# KiCad board cm0.kicad_pcb (continued)
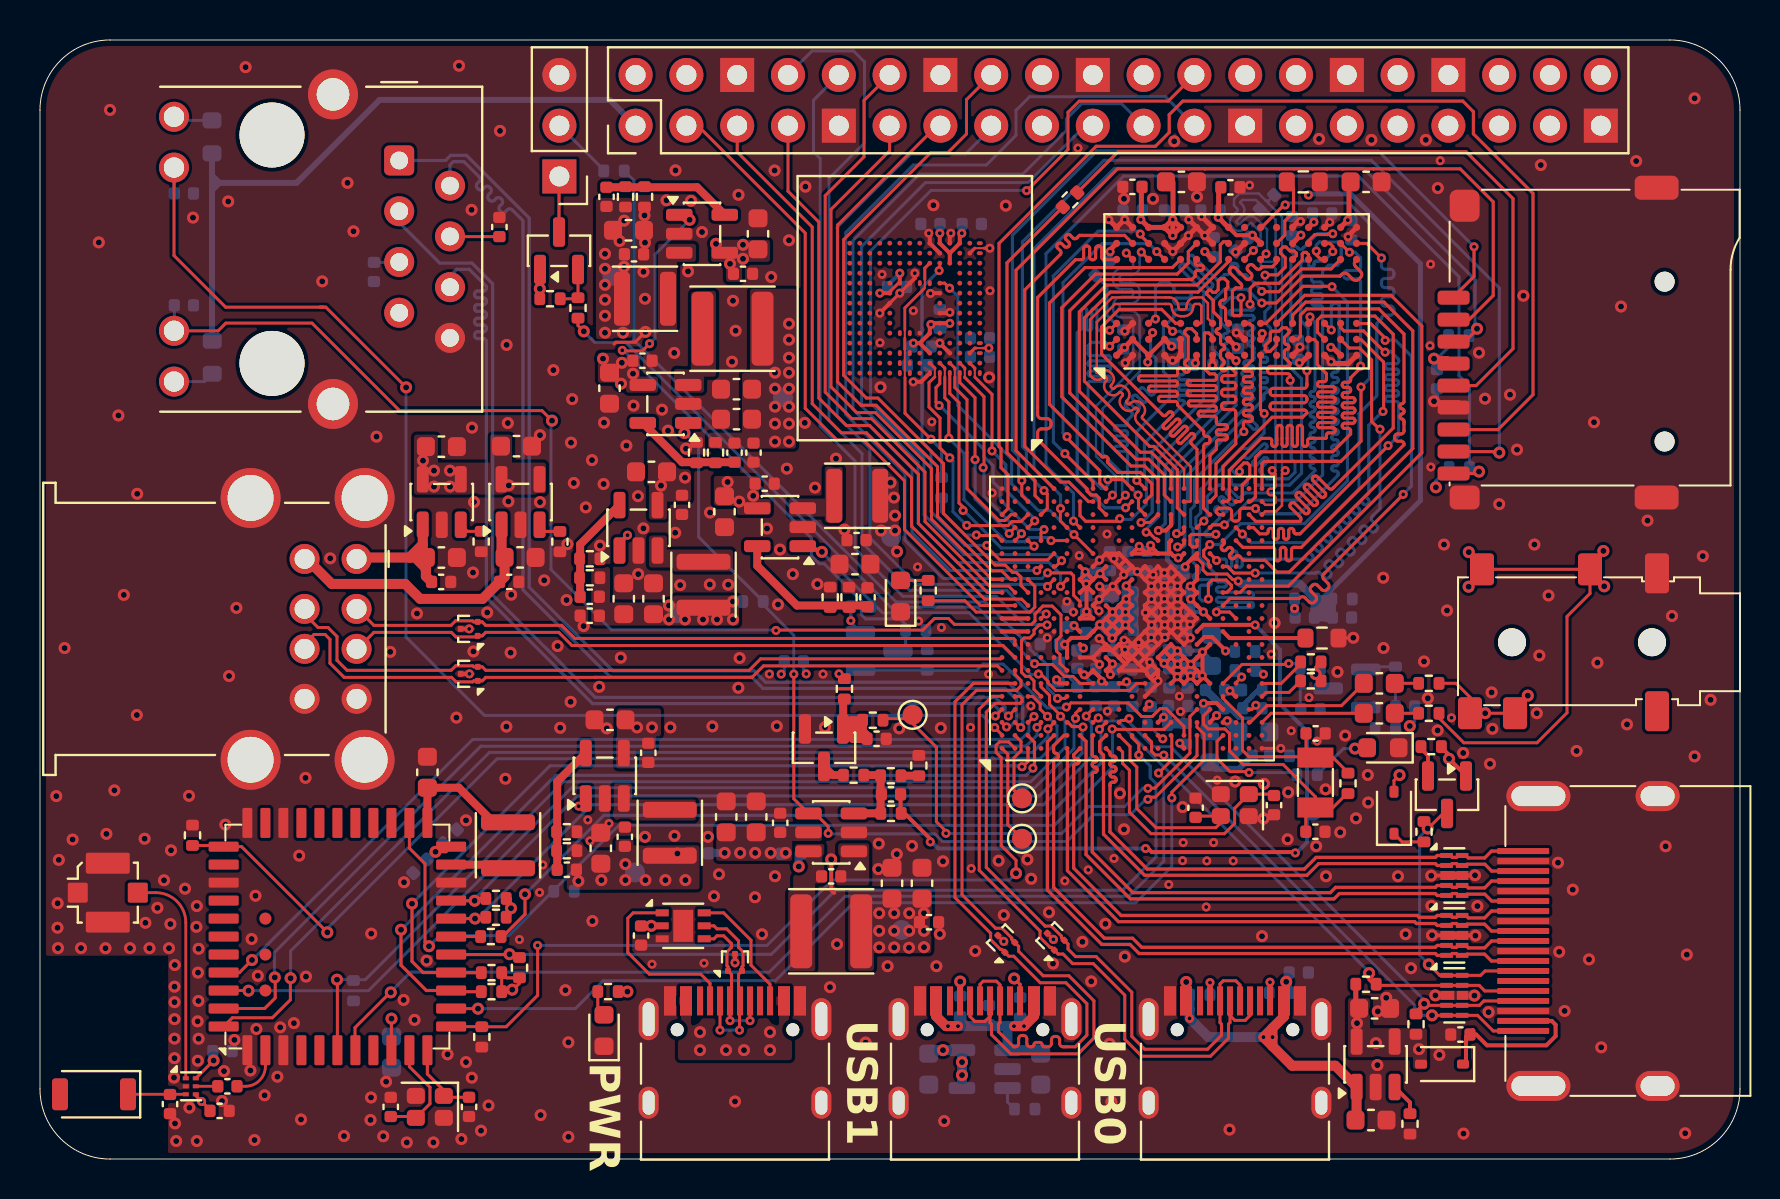
[diagram p0: board, top side]
## Routing (per net, layer and track width the routed paths; a pad name or vN(x,y) marks a point on that pad's centre or on a via; arc(x,y) is an arc through that point) (continued)
/DDR3/A3: length 27
  Top w0.157: U1.V20 59.35,32.9 59.47,33.01 59.47,34.47 61.06,36.06 61.48,36.06 arc(61.56,36.03) 61.59,35.96 61.59,35.77 arc(61.62,35.69) 61.69,35.66 61.74,35.66 arc(61.81,35.69) 61.84,35.77 61.84,36.61 arc(61.87,36.68) 61.95,36.71 62,36.71 arc(62.07,36.68) 62.1,36.61 62.1,35.77 arc(62.13,35.69) 62.2,35.66 62.25,35.66 arc(62.33,35.69) 62.36,35.77 62.36,36.61 arc(62.39,36.68) 62.46,36.71 62.51,36.71 arc(62.58,36.68) 62.61,36.61 62.61,35.77 arc(62.64,35.69) 62.72,35.66 62.77,35.66 arc(62.84,35.69) 62.87,35.77 62.87,36.61 arc(62.9,36.68) 62.97,36.71 63.02,36.71 arc(63.1,36.68) 63.13,36.61 63.13,35.77 arc(63.16,35.69) 63.23,35.66 63.28,35.66 arc(63.35,35.69) 63.38,35.77 63.38,35.96 arc(63.41,36.03) 63.48,36.06 64.28,36.06 64.32,36.1 64.32,36.24 arc(64.35,36.31) 64.42,36.34 64.66,36.34 arc(64.73,36.37) 64.76,36.44 64.76,36.49 arc(64.73,36.57) 64.66,36.6 63.98,36.6 arc(63.91,36.63) 63.88,36.7 63.88,36.75 arc(63.91,36.82) 63.98,36.85 64.66,36.85 arc(64.73,36.88) 64.76,36.96 64.76,37.01 arc(64.73,37.08) 64.66,37.11 63.98,37.11 arc(63.91,37.14) 63.88,37.21 63.88,37.26 arc(63.91,37.34) 63.98,37.37 64.66,37.37 arc(64.73,37.4) 64.76,37.47 64.76,37.52 arc(64.73,37.59) 64.66,37.62 63.98,37.62 arc(63.91,37.65) 63.88,37.72 63.88,37.78 arc(63.91,37.85) 63.98,37.88 64.66,37.88 arc(64.73,37.91) 64.76,37.98 64.76,38.03 arc(64.73,38.1) 64.66,38.14 63.98,38.14 arc(63.91,38.17) 63.88,38.24 63.88,38.29 arc(63.91,38.36) 63.98,38.39 64.66,38.39 arc(64.73,38.42) 64.76,38.49 64.76,38.55 arc(64.73,38.62) 64.66,38.65 63.98,38.65 arc(63.91,38.68) 63.88,38.75 63.88,38.8 arc(63.91,38.87) 63.98,38.9 64.22,38.9 arc(64.29,38.93) 64.32,39.01 64.32,39.3 63.86,39.76 63.86,40.86 63.71,41.01 63.44,41.01 U2.N2
/DDR3/A4: length 23.9
  Top w0.157: v1(63.35,39.45) 63.35,38.71 arc(63.3,38.61) 63.2,38.56 61.65,38.56 arc(61.55,38.52) 61.51,38.42 61.51,38.35 arc(61.55,38.25) 61.65,38.2 63.2,38.2 arc(63.3,38.16) 63.35,38.06 63.35,37.99 arc(63.3,37.89) 63.2,37.84 61.65,37.84 arc(61.55,37.8) 61.51,37.7 61.51,37.63 arc(61.55,37.53) 61.65,37.48 63.2,37.48 arc(63.3,37.44) 63.35,37.34 63.35,37.34 63.13,37.12 61.61,37.12 59.15,34.66 U1.V21 ; U2.P8 64.49,45.82 64.64,45.67 v1(64.64,45.41)
  Bottom w0.157: v1(63.35,39.45) 63.4,39.5 63.4,41.59 63.04,41.95 63.04,44.82 63.15,44.93 63.34,44.93 arc(63.41,44.9) 63.44,44.83 63.44,44.74 arc(63.47,44.67) 63.55,44.64 63.6,44.64 arc(63.67,44.67) 63.7,44.74 63.7,44.83 arc(63.73,44.9) 63.8,44.93 64.18,44.93 64.64,45.39 v1(64.64,45.41)
/DDR3/A5: length 27
  Top w0.157: U1.Y19 60.79,31.91 62.99,31.91 63.03,31.95 arc(63.06,32.03) 63.03,32.11 62.52,32.62 arc(62.49,32.7) 62.52,32.78 62.56,32.82 arc(62.64,32.85) 62.73,32.82 63.23,32.32 arc(63.31,32.28) 63.39,32.32 63.44,32.36 arc(63.47,32.44) 63.44,32.52 62.82,33.13 arc(62.79,33.21) 62.82,33.3 62.87,33.34 arc(62.95,33.37) 63.03,33.34 63.64,32.73 arc(63.72,32.69) 63.8,32.73 63.85,32.77 arc(63.88,32.85) 63.85,32.93 63.23,33.54 arc(63.2,33.62) 63.23,33.71 63.28,33.75 arc(63.36,33.78) 63.44,33.75 64.05,33.14 arc(64.13,33.1) 64.21,33.14 64.26,33.18 arc(64.29,33.26) 64.26,33.34 63.65,33.95 arc(63.61,34.03) 63.65,34.12 63.69,34.16 arc(63.77,34.19) 63.85,34.16 64.46,33.55 arc(64.54,33.51) 64.62,33.55 67.66,36.58 67.66,41.27 66.75,42.18 64.07,42.18 63.87,41.98 63.87,41.38 U2.P2
/DDR3/A6: length 24
  Top w0.157: v1(66.03,39.68) 66.03,39.59 65.53,39.09 65.53,38.97 arc(65.5,38.9) 65.43,38.87 65.22,38.87 arc(65.14,38.84) 65.11,38.77 65.11,38.72 arc(65.14,38.64) 65.22,38.61 65.43,38.61 arc(65.5,38.58) 65.53,38.51 65.53,38.46 arc(65.5,38.39) 65.43,38.36 65.22,38.36 arc(65.14,38.33) 65.11,38.26 65.11,38.2 arc(65.14,38.13) 65.22,38.1 65.64,38.1 arc(65.72,38.07) 65.75,38 65.75,37.95 arc(65.72,37.88) 65.64,37.85 65.22,37.85 arc(65.14,37.82) 65.11,37.74 65.11,37.69 arc(65.14,37.62) 65.22,37.59 65.64,37.59 arc(65.72,37.56) 65.75,37.49 65.75,37.43 arc(65.72,37.36) 65.64,37.33 65.22,37.33 arc(65.14,37.3) 65.11,37.23 65.11,37.18 arc(65.14,37.11) 65.22,37.08 65.64,37.08 arc(65.72,37.05) 65.75,36.97 65.75,36.92 arc(65.72,36.85) 65.64,36.82 65.22,36.82 arc(65.14,36.79) 65.11,36.72 65.11,36.67 arc(65.14,36.59) 65.22,36.56 65.43,36.56 arc(65.5,36.53) 65.53,36.46 65.53,36.28 64.64,35.39 61.04,35.39 60.77,35.12 60.77,33.13 60.54,32.9 U1.Y20 ; U2.R8 v1(65.47,45.38)
  Bottom w0.157: v1(66.03,39.68) 66.03,43.87 arc(65.98,43.99) 65.86,44.04 65.35,44.04 arc(65.23,44.09) 65.18,44.21 65.18,44.29 arc(65.23,44.41) 65.35,44.46 65.86,44.46 arc(65.98,44.51) 66.03,44.63 66.03,45.1 65.75,45.38 v1(65.47,45.38)
/DDR3/A7: length 23.9
  Top w0.157: U1.V15 59.38,29.65 59.5,29.53 59.5,29.53 59.68,29.35 59.68,29.35 59.71,29.32 v1(60.76,29.32) ; v1(67,36.52) 66.97,36.52 66.58,36.91 66.58,39.98 65.98,40.58 65.47,40.58 U2.R2
  Bottom w0.157: v1(67,36.52) 67,32.55 66.61,32.16 arc(66.56,32.05) 66.61,31.93 66.83,31.71 arc(66.88,31.59) 66.83,31.48 66.78,31.42 arc(66.66,31.37) 66.54,31.42 66.32,31.64 arc(66.21,31.69) 66.09,31.64 66.03,31.58 arc(65.98,31.47) 66.03,31.35 66.25,31.13 arc(66.3,31.01) 66.25,30.9 66.2,30.84 arc(66.08,30.79) 65.96,30.84 65.74,31.06 arc(65.63,31.11) 65.51,31.06 65.45,31 arc(65.4,30.89) 65.45,30.77 65.67,30.55 arc(65.72,30.43) 65.67,30.32 65.62,30.26 arc(65.5,30.21) 65.38,30.26 65.16,30.48 arc(65.05,30.53) 64.93,30.48 64.87,30.42 arc(64.82,30.31) 64.87,30.19 65.09,29.97 arc(65.14,29.85) 65.09,29.74 65.04,29.68 arc(64.92,29.63) 64.8,29.68 64.58,29.9 arc(64.47,29.95) 64.35,29.9 64.29,29.84 arc(64.24,29.73) 64.29,29.61 64.51,29.39 arc(64.56,29.27) 64.51,29.16 64.46,29.1 arc(64.34,29.05) 64.22,29.1 64,29.32 arc(63.89,29.37) 63.77,29.32 v1(60.76,29.32)
/DDR3/A8: length 23.9
  Top w0.157: v1(60.12,31.27) 60.12,31.28 U1.W18 ; v1(67.07,45.09) 66.34,45.82 U2.T8
  Bottom w0.157: v1(60.12,31.27) 60.55,30.84 63.24,30.84 65.95,33.55 65.95,37.3 66.84,38.19 66.84,41.81 67.07,42.04 arc(67.12,42.17) 67.25,42.23 67.51,42.23 arc(67.64,42.28) 67.7,42.41 67.7,42.5 arc(67.64,42.63) 67.51,42.69 67.25,42.69 arc(67.12,42.74) 67.07,42.87 67.07,42.96 arc(67.12,43.09) 67.25,43.15 67.51,43.15 arc(67.64,43.2) 67.7,43.33 67.7,43.42 arc(67.64,43.55) 67.51,43.61 67.25,43.61 arc(67.12,43.66) 67.07,43.79 67.07,43.88 arc(67.12,44.01) 67.25,44.07 67.51,44.07 arc(67.64,44.12) 67.7,44.25 67.7,44.34 arc(67.64,44.47) 67.51,44.53 67.25,44.53 arc(67.12,44.58) 67.07,44.71 v1(67.07,45.09)
/DDR3/A9: length 23.9
  Top w0.157: 65.04,41.81 65.04,41.6 65.2,41.44 66.17,41.44 67.19,40.42 67.22,40.42 v1(67.26,40.38) ; v1(67.4,35.7) 67.39,35.69 67.39,35.67 63,31.28 62.79,31.28 arc(62.72,31.32) 62.69,31.39 62.69,31.45 arc(62.66,31.52) 62.59,31.55 62.54,31.55 arc(62.47,31.52) 62.43,31.45 62.43,31.12 arc(62.4,31.05) 62.33,31.01 62.28,31.01 arc(62.21,31.05) 62.18,31.12 62.18,31.45 arc(62.15,31.52) 62.08,31.55 62.02,31.55 arc(61.95,31.52) 61.92,31.45 61.92,31.12 arc(61.89,31.05) 61.82,31.01 61.77,31.01 arc(61.7,31.05) 61.67,31.12 61.67,31.45 arc(61.64,31.52) 61.56,31.55 61.51,31.55 arc(61.44,31.52) 61.41,31.45 61.41,31.39 arc(61.38,31.32) 61.31,31.28 60.99,31.28 60.67,31.6 U1.Y18
  Bottom w0.157: v1(67.4,35.7) 67.43,35.7 67.93,36.2 67.93,37.8 arc(67.9,37.88) 67.82,37.91 67.38,37.91 arc(67.31,37.94) 67.27,38.02 67.27,38.07 arc(67.31,38.15) 67.38,38.18 67.82,38.18 arc(67.9,38.21) 67.93,38.29 67.93,38.34 arc(67.9,38.42) 67.82,38.45 67.38,38.45 arc(67.31,38.48) 67.27,38.56 67.27,38.61 arc(67.31,38.69) 67.38,38.72 67.82,38.72 arc(67.9,38.75) 67.93,38.83 67.93,38.88 arc(67.9,38.96) 67.82,38.99 67.38,38.99 arc(67.31,39.02) 67.27,39.1 67.27,39.15 arc(67.31,39.23) 67.38,39.26 67.82,39.26 arc(67.9,39.29) 67.93,39.37 67.93,39.42 arc(67.9,39.5) 67.82,39.53 67.38,39.53 arc(67.31,39.56) 67.27,39.64 67.27,39.69 arc(67.31,39.77) 67.38,39.8 67.82,39.8 arc(67.9,39.83) 67.93,39.91 67.93,40.02 67.53,40.42 67.3,40.42 v1(67.26,40.38)
/DDR3/A10: length 24
  Top w0.157: U2.L7 61.83,44.86 61.62,44.65 61.11,44.65 61.02,44.56 arc(60.92,44.52) 60.81,44.56 60.65,44.72 arc(60.55,44.77) 60.45,44.72 60.4,44.67 arc(60.35,44.57) 60.4,44.47 60.56,44.31 arc(60.6,44.2) 60.56,44.1 60.51,44.05 arc(60.41,44.01) 60.3,44.05 59.75,44.6 arc(59.65,44.65) 59.55,44.6 59.5,44.55 arc(59.45,44.45) 59.5,44.35 60.05,43.8 arc(60.09,43.69) 60.05,43.59 59.78,43.59 59.62,43.43 59.62,42.28 59.7,42.2 59.99,42.2 60.05,42.26 v1(60.05,43.1)
  Top w0.2: U1.P19 56.55,31.71 56.29,31.45 v1(55.92,31.45)
  Bottom w0.157: v1(55.92,31.45) 55.92,31.46 56.26,31.8 56.26,34.71 59.4,37.85 59.4,40.44 arc(59.37,40.51) 59.3,40.54 59.27,40.54 arc(59.2,40.57) 59.17,40.64 59.17,40.7 arc(59.2,40.77) 59.27,40.8 59.3,40.8 arc(59.37,40.83) 59.4,40.9 59.4,40.95 arc(59.37,41.02) 59.3,41.05 59.27,41.05 arc(59.2,41.08) 59.17,41.16 59.17,41.21 arc(59.2,41.28) 59.27,41.31 59.3,41.31 arc(59.37,41.34) 59.4,41.41 59.4,41.58 59.32,41.58 59.05,41.85 59.05,42.65 59.5,43.1 v1(60.05,43.1)
/DDR3/A11: length 30.1
  Top w0.157: U2.R7 64.55,44.54 63.08,44.54 61.94,43.4 61.15,43.4 61.13,43.42 v1(61.08,43.42) 61.14,43.42 ; U1.N19 55.62,31.97 55.62,31.97 55.5,31.85 v1(55.05,31.85)
  Bottom w0.157: 61.14,43.42 61.12,43.42 60.28,44.26 60.04,44.26 arc(59.94,44.31) 59.89,44.41 59.89,44.67 arc(59.85,44.78) 59.75,44.82 59.67,44.82 arc(59.57,44.78) 59.52,44.67 59.52,44.41 arc(59.48,44.31) 59.38,44.26 59.23,44.26 58.99,44.03 arc(58.91,43.99) 58.82,44.03 57.65,45.2 arc(57.57,45.23) 57.48,45.2 57.44,45.15 arc(57.4,45.07) 57.44,44.98 58.61,43.81 arc(58.65,43.73) 58.61,43.64 58.57,43.6 arc(58.48,43.57) 58.4,43.6 57.23,44.77 arc(57.14,44.81) 57.06,44.77 57.02,44.73 arc(56.98,44.65) 57.02,44.56 58.19,43.39 arc(58.22,43.3) 58.19,43.22 58.17,43.2 58.17,37.97 55.61,35.41 55.61,32.38 55.08,31.85 v1(55.05,31.85)
/DDR3/A12: length 26.1
  Top w0.157: v1(60.5,42.78) 60.51,42.79 60.51,43.57 60.69,43.75 60.69,43.75 60.76,43.82 60.92,43.82 60.92,43.82 61.25,43.82 61.25,43.82 61.95,43.82 63.11,44.98 63.11,45.29 63.19,45.37 63.31,45.37 63.43,45.25 U2.N7 ; U1.R18 57.2,31.39 57.09,31.28 56.85,31.28 56.83,31.29
  Bottom w0.157: v1(60.5,42.78) 60.7,42.58 arc(60.67,42.51) 60.6,42.48 59.57,42.48 arc(59.5,42.45) 59.47,42.37 59.47,42.32 arc(59.5,42.25) 59.57,42.22 60.6,42.22 arc(60.67,42.19) 60.7,42.12 60.7,42.07 arc(60.67,41.99) 60.6,41.96 60.52,41.96 arc(60.45,41.93) 60.42,41.86 60.42,41.81 arc(60.45,41.74) 60.52,41.71 60.6,41.71 arc(60.67,41.68) 60.7,41.61 60.7,41.55 arc(60.67,41.48) 60.6,41.45 60.52,41.45 arc(60.45,41.42) 60.42,41.35 60.42,41.3 arc(60.45,41.22) 60.52,41.19 60.6,41.19 arc(60.67,41.16) 60.7,41.09 60.7,41.04 arc(60.67,40.97) 60.6,40.94 60.52,40.94 arc(60.45,40.91) 60.42,40.84 60.42,40.78 arc(60.45,40.71) 60.52,40.68 60.6,40.68 arc(60.67,40.65) 60.7,40.58 60.7,40.05 arc(60.67,39.98) 60.6,39.95 60.3,39.95 arc(60.23,39.92) 60.2,39.84 60.2,39.79 arc(60.23,39.72) 60.3,39.69 60.6,39.69 arc(60.67,39.66) 60.7,39.59 60.7,39.54 arc(60.67,39.46) 60.6,39.43 60.2,39.43 arc(60.13,39.4) 60.1,39.33 60.1,39.28 arc(60.13,39.21) 60.2,39.18 60.6,39.18 arc(60.67,39.15) 60.7,39.07 60.7,39.02 arc(60.67,38.95) 60.6,38.92 60.2,38.92 arc(60.13,38.89) 60.1,38.82 60.1,38.77 arc(60.13,38.69) 60.2,38.66 60.6,38.66 arc(60.67,38.63) 60.7,38.56 60.7,38.51 arc(60.67,38.44) 60.6,38.41 60.2,38.41 arc(60.13,38.38) 60.1,38.3 60.1,38.25 arc(60.13,38.18) 60.2,38.15 60.6,38.15 arc(60.67,38.12) 60.7,38.05 60.7,38.05 56.97,34.33 56.97,31.55 56.83,31.41 56.83,31.29
  vias: v1(56.83,31.3)
/DDR3/A13: length 23.9
  Top w0.157: v1(68.16,33.26) 68.16,33.25 64.18,29.27 arc(64.13,29.15) 64.18,29.03 64.4,28.8 arc(64.45,28.68) 64.4,28.55 64.34,28.49 arc(64.22,28.44) 64.09,28.49 63.87,28.71 arc(63.75,28.77) 63.62,28.71 63.56,28.65 arc(63.51,28.53) 63.56,28.4 63.78,28.18 arc(63.83,28.06) 63.78,27.93 63.72,27.87 arc(63.59,27.82) 63.47,27.87 63.25,28.09 arc(63.12,28.14) 63,28.09 62.96,28.05 59.5,28.05 U1.V12 ; 65.84,41.81 66.53,41.81 67.26,41.08 v1(67.26,40.97)
  Bottom w0.157: v1(68.16,33.26) 68.57,33.67 68.57,40.17 67.76,40.98 67.27,40.98 v1(67.26,40.97)
/DDR3/A14: length 23.9
  Top w0.157: U2.T7 65.78,44.97 arc(65.72,44.82) 65.78,44.66 66.02,44.42 arc(66.09,44.26) 66.02,44.11 65.95,44.03 arc(65.79,43.96) 65.64,44.03 65.39,44.27 arc(65.24,44.34) 65.08,44.27 64.99,44.18 63.15,44.18 61.81,42.84 61.12,42.84 61.11,42.85 61.1,42.85 v1(61.09,42.84) ; v1(55.31,31.37) 55.44,31.37 55.52,31.29 55.52,31.28 55.75,31.05 55.81,31.05 55.9,30.96 U1.N17
  Bottom w0.157: v1(61.09,42.84) 61.05,42.87 61,42.87 60.35,43.52 59.22,43.52 58.62,42.92 58.62,40.54 59.1,40.06 59.1,39.4 58.9,39.2 58.9,38.02 55.93,35.05 55.93,32.14 55.35,31.56 55.35,31.41 v1(55.31,31.37)
/DDR3/A15: length 24
  Top w0.157: v1(56.88,30.63) 57.04,30.63 57.2,30.79 U1.R17 ; U2.M7 62.82,45.21 62.82,45.33 62.71,45.44 62.5,45.44 62.3,45.64 62.16,45.64 62.03,45.51 62.03,45.33 62.26,45.1 62.26,44.62 61.88,44.25 61.27,44.25 v1(61.25,44.23)
  Bottom w0.157: v1(61.25,44.23) 61.25,43.88 61.5,43.63 61.5,42.64 61.24,42.38 61.24,41.86 61.52,41.58 61.52,41.14 61.19,40.81 61.19,40.74 arc(61.22,40.67) 61.28,40.65 arc(61.35,40.62) 61.37,40.56 61.37,40.48 arc(61.35,40.41) 61.28,40.39 61.1,40.39 arc(61.04,40.36) 61.01,40.29 61.01,40.22 arc(61.04,40.16) 61.1,40.13 61.28,40.13 arc(61.35,40.1) 61.38,40.04 61.38,39.96 arc(61.35,39.9) 61.28,39.87 61.1,39.87 arc(61.04,39.85) 61.01,39.78 61.01,39.71 arc(61.04,39.64) 61.1,39.62 61.28,39.62 arc(61.35,39.59) 61.38,39.52 61.38,39.45 arc(61.35,39.39) 61.28,39.36 61.1,39.36 arc(61.04,39.33) 61.01,39.27 61.01,39.19 arc(61.04,39.13) 61.1,39.1 61.28,39.1 arc(61.35,39.08) 61.38,39.01 61.38,38.94 arc(61.35,38.87) 61.28,38.85 61.1,38.85 arc(61.04,38.82) 61.01,38.75 61.01,38.68 arc(61.04,38.62) 61.1,38.59 61.28,38.59 arc(61.35,38.56) 61.37,38.5 61.37,38.42 arc(61.35,38.36) 61.28,38.33 arc(61.22,38.31) 61.19,38.24 61.19,38.04 60.42,37.28 arc(60.39,37.2) 60.42,37.13 60.84,36.72 arc(60.87,36.64) 60.84,36.57 60.8,36.54 arc(60.73,36.51) 60.66,36.54 60.24,36.95 arc(60.17,36.98) 60.1,36.95 57.37,34.22 57.37,32.9 57.24,32.77 57.24,30.72 57.15,30.63 v1(56.88,30.63)
/DDR3/BA0: length 27
  Top w0.157: U2.M2 62.88,41.02 63.02,41.16 63.02,42.23 63.33,42.54 66.94,42.54 68.2,41.28 68.2,37.9 arc(68.17,37.83) 68.1,37.8 arc(68.03,37.77) 68,37.7 68,37.64 arc(68.03,37.57) 68.1,37.54 arc(68.17,37.51) 68.2,37.44 68.2,37.39 arc(68.17,37.32) 68.1,37.29 arc(68.03,37.26) 68,37.19 68,37.13 arc(68.03,37.06) 68.1,37.03 arc(68.17,37) 68.2,36.93 68.2,36.43 arc(68.16,36.33) 68.06,36.28 67.87,36.28 arc(67.77,36.24) 67.73,36.14 67.73,36.07 arc(67.77,35.97) 67.87,35.92 68.06,35.92 arc(68.16,35.88) 68.2,35.78 68.2,35.74 63.07,30.61 62.69,30.61 arc(62.61,30.58) 62.58,30.5 62.58,30.05 arc(62.54,29.97) 62.46,29.94 62.41,29.94 arc(62.33,29.97) 62.3,30.05 62.3,30.5 arc(62.26,30.58) 62.18,30.61 62.13,30.61 arc(62.05,30.58) 62.02,30.5 62.02,30.05 arc(61.98,29.97) 61.9,29.94 61.85,29.94 arc(61.77,29.97) 61.74,30.05 61.74,30.5 arc(61.7,30.58) 61.62,30.61 60.14,30.61 U1.W17
/DDR3/BA1: length 24
  Top w0.157: U1.T18 57.85,31.61 58.11,31.87 58.15,31.87 58.15,31.88 58.15,31.88 58.2,31.92 v1(58.2,31.93) ; U2.N8 63.43,45.95 63.74,46.26 64.38,46.26 64.42,46.3 v1(64.64,46.3)
  Bottom w0.157: v1(64.64,46.3) 63.87,46.3 63.13,45.56 arc(63.02,45.52) 62.92,45.56 62.85,45.63 arc(62.75,45.67) 62.64,45.63 62.59,45.58 arc(62.55,45.47) 62.59,45.37 62.66,45.3 arc(62.7,45.2) 62.66,45.09 62.54,44.98 62.54,41.44 62.4,41.3 62.4,39.72 63.08,39.04 63.08,34.33 63.07,34.32 63.07,34.32 62.54,33.78 62.53,33.78 62.47,33.72 60.87,33.72 arc(60.77,33.76) 60.73,33.86 60.73,34.04 arc(60.69,34.14) 60.59,34.18 60.52,34.18 arc(60.42,34.14) 60.38,34.04 60.38,33.86 arc(60.34,33.76) 60.24,33.72 59.71,33.72 arc(59.6,33.77) 59.55,33.88 59.55,34 arc(59.5,34.11) 59.39,34.15 59.32,34.15 arc(59.21,34.11) 59.16,34 59.16,33.88 arc(59.11,33.77) 59,33.72 58.92,33.72 58.36,33.16 58.36,32.14 58.15,31.93 58.19,31.93 v1(58.2,31.93)
/DDR3/BA2: length 27
  Top w0.157: U1.V17 59.19,30.95 59.19,30.95 arc(59.23,30.87) 59.19,30.78 59.09,30.68 arc(59.06,30.6) 59.09,30.51 59.13,30.47 arc(59.21,30.44) 59.29,30.47 59.4,30.58 arc(59.48,30.61) 59.56,30.58 59.61,30.54 arc(59.64,30.46) 59.61,30.37 59.5,30.27 arc(59.47,30.19) 59.5,30.1 59.54,30.06 arc(59.62,30.03) 59.7,30.06 59.81,30.17 arc(59.89,30.2) 59.97,30.17 60.18,29.96 61.25,29.96 61.84,29.37 62.46,29.37 68.64,35.55 68.64,41.44 67.2,42.88 63.28,42.88 62.63,42.23 U2.M3
/DDR3/CKE: length 24.1
  Top w0.157: v1(66.05,38.63) 66.05,35.92 65.04,34.91 61.22,34.91 61.1,34.79 U1.AA21 ; v1(62.26,47.75) 62.2,47.75 61.08,46.62 U2.K9
  Bottom w0.157: v1(62.26,47.75) 62.35,47.84 65.45,47.84 66.48,46.81 66.48,39.06 v1(66.05,38.63)
/DDR3/CLK+: length 24.6
  Top w0.124: U2.J7 60.23,45.05 60.64,45.47 v1(60.67,45.47) ; U1.AA19 61.26,32.41 61.8,32.41 62.1,32.71 62.1,34.29 v1(62.26,34.45)
  Bottom w0.124: R75.1 61.43,47.96 ; 61.43,47.96 61.29,47.96 ; 61.43,47.96 61.43,47.82 ; 61.43,47.82 62.1,47.15 62.1,34.61 v1(62.26,34.45) ; 61.43,47.82 61.29,47.96 ; v1(60.67,45.47) 61.03,45.82 61.03,46.38 60.58,46.83 arc(60.54,46.85) 60.5,46.83 60.23,46.56 arc(59.95,46.45) 59.68,46.56 59.61,46.63 arc(59.49,46.91) 59.61,47.18 59.87,47.45 arc(59.89,47.49) 59.87,47.54 59.7,47.71 59.7,48.04 59.98,48.32 60.93,48.32 61.29,47.96
/DDR3/CLK-: length 23.9
  Top w0.124: U1.AA20 61.26,32.74 61.67,32.74 61.77,32.84 61.77,33.1 arc(61.73,33.19) 61.64,33.23 61.52,33.23 arc(61.43,33.26) 61.39,33.35 61.39,33.42 arc(61.43,33.51) 61.52,33.55 61.64,33.55 arc(61.73,33.58) 61.77,33.67 61.77,34.29 v1(61.61,34.45) ; v1(61.3,45.3) 61.03,45.02 U2.K7
  Bottom w0.124: v1(61.61,34.45) 61.77,34.61 61.77,38.28 61.78,38.29 61.78,44.52 arc(61.75,44.6) 61.67,44.63 61.15,44.63 arc(61.07,44.66) 61.04,44.74 61.04,44.79 arc(61.07,44.87) 61.15,44.9 61.67,44.9 arc(61.75,44.93) 61.78,45.01 61.78,47.01 60.79,47.99 60.12,47.99 60.03,47.9 60.03,47.85 60.11,47.77 arc(60.22,47.49) 60.11,47.22 59.84,46.95 arc(59.82,46.91) 59.84,46.86 59.91,46.79 arc(59.95,46.77) 60,46.79 60.26,47.06 arc(60.54,47.17) 60.81,47.06 61.35,46.52 61.35,45.35 v1(61.3,45.3)
/DDR3/DQ0: length 20.5
  Top w0.157: U2.E3 56.78,41.82 56.08,42.52 53.96,42.52 53.08,41.64 53.08,40.28 56.14,37.22 arc(56.22,37.19) 56.29,37.22 56.44,37.37 arc(56.51,37.4) 56.59,37.37 56.62,37.34 arc(56.65,37.26) 56.62,37.19 56.17,36.74 arc(56.14,36.67) 56.17,36.6 56.21,36.56 arc(56.28,36.53) 56.35,36.56 56.8,37.01 arc(56.88,37.04) 56.95,37.01 56.98,36.97 arc(57.01,36.9) 56.98,36.83 56.54,36.38 arc(56.5,36.31) 56.54,36.23 56.57,36.2 arc(56.64,36.17) 56.72,36.2 57.17,36.65 arc(57.24,36.68) 57.31,36.65 57.35,36.61 arc(57.38,36.54) 57.35,36.46 56.9,36.02 arc(56.87,35.94) 56.9,35.87 56.93,35.83 arc(57.01,35.8) 57.08,35.83 57.53,36.28 arc(57.6,36.31) 57.67,36.28 57.71,36.25 arc(57.74,36.17) 57.71,36.1 57.56,35.95 arc(57.53,35.88) 57.56,35.8 57.85,35.51 U1.T20
/DDR3/DQ1: length 20.5
  Top w0.157: U2.F7 57.76,44.95 57.76,44.83 arc(57.79,44.76) 57.86,44.73 58.07,44.73 arc(58.14,44.7) 58.17,44.62 58.17,44.57 arc(58.14,44.5) 58.07,44.47 57.86,44.47 arc(57.79,44.44) 57.76,44.36 57.76,44.18 57.59,44.01 53.05,44.01 51.49,42.45 51.49,38.33 54.8,35.02 55.43,35.02 56.22,34.23 56.22,33.23 U1.P20
/DDR3/DQ2: length 20.5
  Top w0.157: U1.U19 58.5,32.25 58.18,32.57 58.18,35.66 arc(58.22,35.76) 58.32,35.8 58.36,35.8 arc(58.46,35.84) 58.5,35.95 58.5,36.02 arc(58.46,36.12) 58.36,36.16 58.32,36.16 arc(58.22,36.2) 58.18,36.31 58.18,36.42 56.88,37.72 56.88,37.81 arc(56.85,37.88) 56.78,37.91 56.03,37.91 arc(55.96,37.94) 55.93,38.01 55.93,38.06 arc(55.96,38.14) 56.03,38.17 56.78,38.17 arc(56.85,38.2) 56.88,38.27 56.88,38.32 arc(56.85,38.39) 56.78,38.42 55.53,38.42 arc(55.46,38.45) 55.43,38.53 55.43,38.58 arc(55.46,38.65) 55.53,38.68 56.78,38.68 arc(56.85,38.71) 56.88,38.78 56.88,38.83 arc(56.85,38.91) 56.78,38.94 55.03,38.94 arc(54.96,38.97) 54.93,39.04 54.93,39.09 arc(54.96,39.16) 55.03,39.19 56.78,39.19 arc(56.85,39.22) 56.88,39.3 56.88,39.52 56.93,39.57 arc(57,39.6) 57.08,39.57 57.26,39.39 arc(57.33,39.36) 57.4,39.39 57.44,39.43 arc(57.47,39.5) 57.44,39.58 57.26,39.76 arc(57.23,39.83) 57.26,39.9 57.41,40.05 57.41,41.15 57.24,41.32 57.24,41.43 57.36,41.55 57.58,41.55 57.83,41.3 U2.F2
/DDR3/DQ3: length 20.5
  Top w0.157: U2.F8 57.41,45.4 57.41,44.84 56.86,44.28 52.77,44.28 51.09,42.6 51.09,38.14 54.55,34.68 55.23,34.68 55.9,34.01 U1.N20
/DDR3/DQ4: length 20.5
  Top w0.157: U1.U20 58.8,33.2 58.8,34.8 59.79,35.79 59.79,37.37 arc(59.75,37.47) 59.65,37.51 59.22,37.51 arc(59.12,37.55) 59.08,37.64 59.08,37.71 arc(59.12,37.81) 59.22,37.85 59.65,37.85 arc(59.75,37.89) 59.79,37.98 59.79,38.05 arc(59.75,38.15) 59.65,38.19 59.22,38.19 arc(59.12,38.23) 59.08,38.32 59.08,38.39 arc(59.12,38.49) 59.22,38.53 59.65,38.53 arc(59.75,38.57) 59.79,38.66 59.79,38.73 arc(59.75,38.83) 59.65,38.87 59.22,38.87 arc(59.12,38.91) 59.08,39 59.08,39.07 arc(59.12,39.17) 59.22,39.21 59.65,39.21 arc(59.75,39.25) 59.79,39.34 59.55,39.58 arc(59.47,39.61) 59.39,39.58 59.28,39.47 arc(59.2,39.43) 59.11,39.47 59.07,39.51 arc(59.04,39.59) 59.07,39.67 59.18,39.78 arc(59.22,39.87) 59.18,39.95 59.03,40.11 59.03,40.39 arc(59.06,40.46) 59.13,40.49 arc(59.2,40.52) 59.23,40.59 59.23,40.65 arc(59.2,40.72) 59.13,40.75 arc(59.06,40.78) 59.03,40.85 59.03,41.19 arc(59,41.26) 58.92,41.29 58.91,41.29 arc(58.84,41.32) 58.81,41.4 58.81,41.45 arc(58.84,41.52) 58.91,41.55 58.92,41.55 arc(59,41.58) 59.03,41.65 59.03,42.05 58.67,42.4 58.67,42.95 58.34,43.28 58.34,43.38 58.44,43.48 58.53,43.48 58.64,43.37 58.78,43.37 58.91,43.5 58.91,43.94 59.02,44.05 59.23,44.05 59.39,43.89 59.39,43.63 59.28,43.52 59.28,43.12 arc(59.24,43.02) 59.14,42.98 59.13,42.98 arc(59.03,42.93) 58.99,42.84 58.99,42.77 arc(59.03,42.67) 59.13,42.63 59.14,42.63 arc(59.24,42.58) 59.28,42.49 59.28,41.97 U2.H3
/DDR3/DQ5: length 20.5
  Top w0.157: U1.P21 56.55,34.38 55.56,35.37 55.02,35.37 51.97,38.43 51.97,42.39 53.31,43.73 57.85,43.73 59.02,44.9 59.02,45.74 59.17,45.9 59.35,45.9 59.43,45.82 U2.H8
/DDR3/DQ6: length 20.5
  Top w0.157: U1.U21 58.5,35.2 58.82,35.52 58.82,35.88 arc(58.85,35.95) 58.92,35.98 59.26,35.98 arc(59.33,36.01) 59.37,36.09 59.37,36.14 arc(59.33,36.21) 59.26,36.24 58.92,36.24 arc(58.85,36.27) 58.82,36.34 58.82,36.4 arc(58.85,36.47) 58.92,36.5 59.26,36.5 arc(59.33,36.53) 59.37,36.6 59.37,36.65 arc(59.33,36.72) 59.26,36.75 58.92,36.75 arc(58.85,36.78) 58.82,36.86 58.82,37.07 arc(58.79,37.14) 58.72,37.17 58.01,37.17 arc(57.94,37.2) 57.91,37.27 57.91,37.32 arc(57.94,37.4) 58.01,37.43 58.72,37.43 arc(58.79,37.46) 58.82,37.53 58.82,37.58 arc(58.79,37.65) 58.72,37.68 57.51,37.68 arc(57.44,37.71) 57.41,37.79 57.41,37.84 arc(57.44,37.91) 57.51,37.94 58.72,37.94 arc(58.79,37.97) 58.82,38.04 58.82,38.09 arc(58.79,38.17) 58.72,38.2 57.46,38.2 arc(57.39,38.23) 57.36,38.3 57.36,38.35 arc(57.39,38.42) 57.46,38.45 58.72,38.45 arc(58.79,38.48) 58.82,38.56 58.82,38.61 arc(58.79,38.68) 58.72,38.71 57.46,38.71 arc(57.39,38.74) 57.36,38.81 57.36,38.86 arc(57.39,38.94) 57.46,38.97 58.72,38.97 arc(58.79,39) 58.82,39.07 58.82,39.2 58.73,39.29 58.48,39.29 58.22,39.55 58.22,41.31 58.25,41.34 58.43,41.34 58.63,41.14 U2.G2
/DDR3/DQ7: length 20.5
  Top w0.157: U1.R19 56.87,32.58 56.87,34.49 55.7,35.66 55.48,35.66 52.22,38.92 52.22,42.09 53.52,43.38 57.91,43.38 59.43,44.91 U2.H7
/DDR3/DQ8: length 17.5
  Top w0.157: U2.D7 v1(55.84,45.41) ; U1.J21 53.26,33.55 52.99,33.82 52.99,34.44 51.35,36.08 v1(51.35,36.15)
  Bottom w0.157: v1(55.84,45.41) 55.44,45.81 53.36,45.81 53.36,45.81 53.1,45.81 51.15,43.86 51.15,36.33 51.33,36.15 v1(51.35,36.15)
/DDR3/DQ9: length 17.5
  Top w0.157: U2.C3 55.65,42.04 v1(55.77,42.04) ; U1.M21 55.25,33.56 54.85,33.96 v1(54.84,33.96)
  Bottom w0.157: v1(55.77,42.04) 55.77,43.62 56.04,43.88 56.42,43.88 56.7,43.6 56.7,43.49 arc(56.73,43.41) 56.81,43.37 57.44,43.37 arc(57.52,43.34) 57.56,43.26 57.56,43.2 arc(57.52,43.12) 57.44,43.08 56.81,43.08 arc(56.73,43.05) 56.7,42.97 56.7,42.91 arc(56.73,42.83) 56.81,42.79 57.44,42.79 arc(57.52,42.76) 57.56,42.68 57.56,42.62 arc(57.52,42.54) 57.44,42.5 56.81,42.5 arc(56.73,42.47) 56.7,42.39 56.7,42.15 56.17,41.62 56.17,39.4 56.47,39.1 56.47,38.04 54.84,36.41 v1(54.84,33.96)
/DDR3/DQ10: length 17.4
  Top w0.157: U2.C8 55.01,46.24 v1(55.01,46.29) ; U1.H21 52.65,33.89 v1(51.25,35.3)
  Bottom w0.157: v1(51.25,35.3) 50.66,35.88 50.66,44.19 52.9,46.43 54.87,46.43 v1(55.01,46.29)
/DDR3/DQ11: length 17.5
  Top w0.157: 54.91,33.21 54.9,33.22 v1(54.9,33.23) 54.93,33.2 54.93,32.57 U1.M19 ; v1(55.63,41.36) 55.63,41.22 U2.C2
  Bottom w0.157: v1(54.9,33.23) 54.38,33.75 54.38,35.31 arc(54.35,35.39) 54.28,35.42 53.83,35.42 arc(53.75,35.45) 53.72,35.52 53.72,35.57 arc(53.75,35.64) 53.83,35.67 54.28,35.67 arc(54.35,35.7) 54.38,35.77 54.38,35.83 arc(54.35,35.9) 54.28,35.93 53.83,35.93 arc(53.75,35.96) 53.72,36.03 53.72,36.08 arc(53.75,36.15) 53.83,36.18 54.28,36.18 arc(54.35,36.21) 54.38,36.29 54.38,36.34 arc(54.35,36.41) 54.28,36.44 53.83,36.44 arc(53.75,36.47) 53.72,36.54 53.72,36.59 arc(53.75,36.67) 53.83,36.7 54.28,36.7 arc(54.35,36.73) 54.38,36.8 54.38,36.98 54.6,37.2 arc(54.63,37.27) 54.6,37.34 54.28,37.66 arc(54.25,37.74) 54.28,37.81 54.31,37.84 arc(54.39,37.87) 54.46,37.84 54.78,37.53 arc(54.85,37.5) 54.92,37.53 54.96,37.56 arc(54.99,37.63) 54.96,37.71 54.64,38.03 arc(54.61,38.1) 54.64,38.17 54.68,38.21 arc(54.75,38.24) 54.82,38.21 55.14,37.89 arc(55.21,37.86) 55.29,37.89 55.32,37.92 arc(55.35,38) 55.32,38.07 55,38.39 arc(54.97,38.46) 55,38.53 55.04,38.57 arc(55.11,38.6) 55.18,38.57 55.5,38.25 arc(55.58,38.22) 55.65,38.25 55.79,38.39 55.79,40.06 55.53,40.32 55.53,41.26 v1(55.63,41.36)
